# Allegro board TNR_REV00_150306.brd (continued)
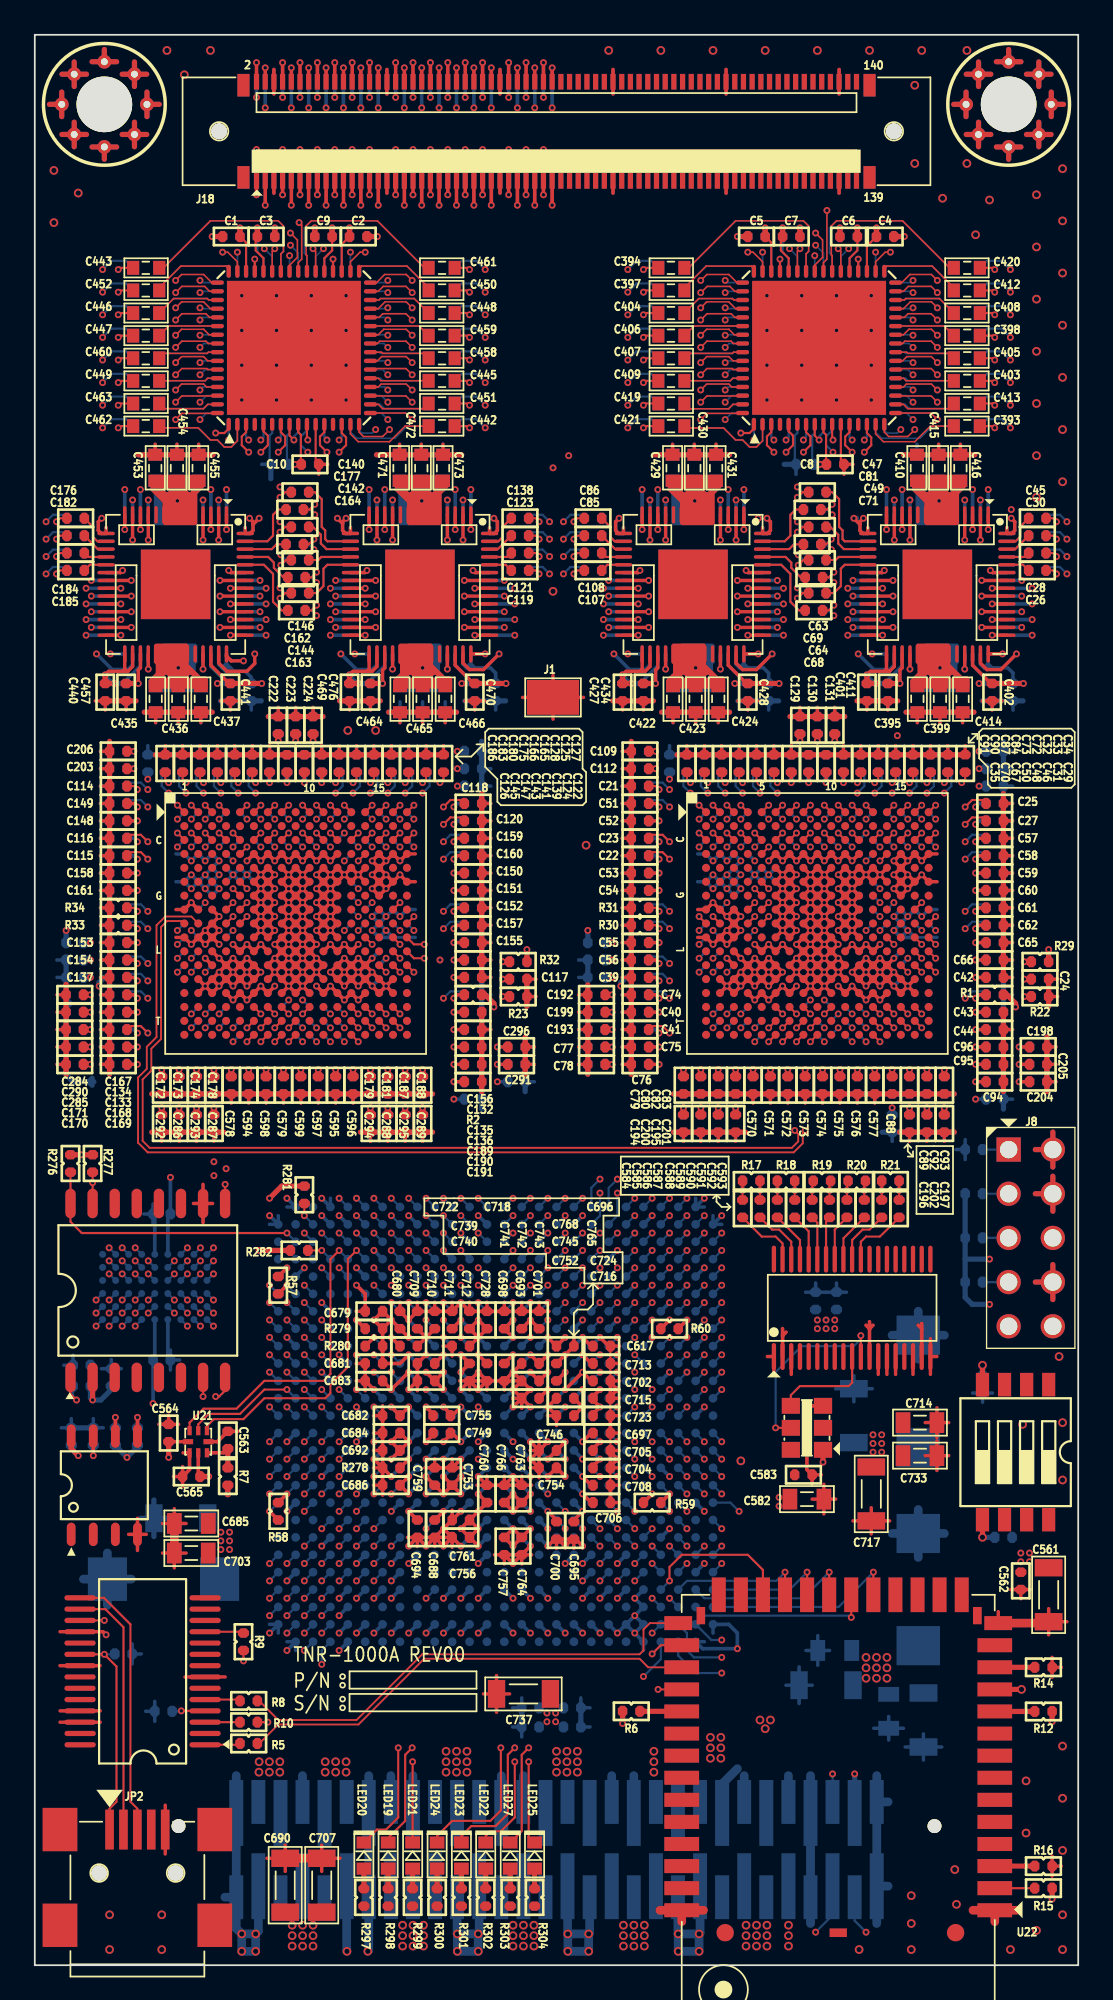
[diagram p0: board, top side]
## Placement (name value [footprint] x y rotation side) (continued)
C493  220n_0603_100V  [C0603]  22.3 72.8 270 bottom
C494  220n_0603_100V  [C0603]  23.6 72.8 270 bottom
C495  0.1u_0402  [C0402]  19.3 73.2 270 bottom
C496  0.1u_0603_100V  [C0603]  23.4 95 180 bottom
C497  0.1u_0603_100V  [C0603]  6.4 92.4 0 bottom
C499  0.1u_0603_100V  [C0603]  6.4 96.3 0 bottom
C500  0.1u_0603_100V  [C0603]  6.4 89.8 0 bottom
C501  0.1u_0603_100V  [C0603]  23.4 96.3 180 bottom
C502  0.1u_0603_100V  [C0603]  23.4 91.1 180 bottom
C503  0.1u_0402  [C0402]  25.3 73.2 270 bottom
C504  0.1u_0603_100V  [C0603]  6.4 97.6 0 bottom
C505  0.1u_0603_100V  [C0603]  23.4 88.5 180 bottom
C506  220n_0603_100V  [C0603]  9.55 72.8 270 bottom
C507  220n_0603_100V  [C0603]  8.25 72.8 270 bottom
C508  220n_0603_100V  [C0603]  6.95 72.8 270 bottom
C511  0.1u_0402  [C0402]  12.45 73.2 270 bottom
C512  0.1u_0402  [C0402]  5.25 73.2 270 bottom
C513  220n_0603_100V  [C0603]  8.18 86.1 90 bottom
C514  220n_0603_100V  [C0603]  9.43 86.1 90 bottom
C515  220n_0603_100V  [C0603]  6.92 86.1 90 bottom
C518  0.1u_0402  [C0402]  11.25 73.2 270 bottom
C519  220n_0603_100V  [C0603]  36.7 72.8 270 bottom
C520  220n_0603_100V  [C0603]  38 72.8 270 bottom
C521  220n_0603_100V  [C0603]  39.3 72.8 270 bottom
C524  0.1u_0402  [C0402]  35 73.2 270 bottom
C525  0.1u_0402  [C0402]  42.2 73.2 270 bottom
C526  0.1u_0603_100V  [C0603]  36.6 88.5 0 bottom
C527  0.1u_0603_100V  [C0603]  53.6 97.6 180 bottom
C528  220n_0603_100V  [C0603]  36.67 86.1 90 bottom
C529  220n_0603_100V  [C0603]  37.92 86.1 90 bottom
C530  220n_0603_100V  [C0603]  39.17 86.1 90 bottom
C531  0.1u_0603_100V  [C0603]  36.6 92.4 0 bottom
C532  0.1u_0603_100V  [C0603]  36.6 93.7 0 bottom
C533  0.1u_0603_100V  [C0603]  53.6 92.4 180 bottom
C534  0.1u_0603_100V  [C0603]  36.6 96.3 0 bottom
C535  0.1u_0603_100V  [C0603]  53.6 95 180 bottom
C537  0.1u_0603_100V  [C0603]  36.6 91.1 0 bottom
C539  0.1u_0603_100V  [C0603]  36.6 95 0 bottom
C540  0.1u_0603_100V  [C0603]  53.6 89.8 180 bottom
C541  0.1u_0603_100V  [C0603]  36.6 89.8 0 bottom
C542  0.1u_0603_100V  [C0603]  53.6 96.3 180 bottom
C543  0.1u_0402  [C0402]  41 73.2 270 bottom
C544  0.1u_0603_100V  [C0603]  53.6 93.7 180 bottom
C545  0.1u_0603_100V  [C0603]  53.6 91.1 180 bottom
C546  0.1u_0603_100V  [C0603]  36.6 97.6 0 bottom
C547  0.1u_0603_100V  [C0603]  53.6 88.5 180 bottom
C548  220n_0603_100V  [C0603]  50.75 72.8 270 bottom
C549  220n_0603_100V  [C0603]  52.05 72.8 270 bottom
C550  220n_0603_100V  [C0603]  53.35 72.8 270 bottom
C553  0.1u_0402  [C0402]  49.05 73.2 270 bottom
C554  0.1u_0402  [C0402]  56.25 73.2 270 bottom
C555  220n_0603_100V  [C0603]  50.73 86.1 90 bottom
C556  220n_0603_100V  [C0603]  51.98 86.1 90 bottom
C557  220n_0603_100V  [C0603]  53.23 86.1 90 bottom
C560  0.1u_0402  [C0402]  55.05 73.2 270 bottom
C561  10u_1206  [C1206]  58.3 21.3 90 top
C562  0.1u_0402  [C0402]  56.7 22.1 90 top
C563  0.1u_0402  [C0402]  11.1 30.2 270 top
C564  0.1u_0402  [C0402]  7.7 30.6 270 top
C565  0.1u_0402  [C0402]  9 28.1 0 top
C566  0.1u_0402  [C0402]  5.1 17.9 180 bottom
C567  0.1u_0402  [C0402]  7.4 14.6 0 bottom
C568  0.1u_0402  [C0402]  7.3 34.8 180 bottom
C569  0.1u_0402  [C0402]  7.3 43.2 0 bottom
C570  0.1u_0402  [C0402]  41.3 50.6 270 top
C571  0.1u_0402  [C0402]  42.3 50.6 270 top
C572  0.1u_0402  [C0402]  43.3 50.6 270 top
C573  0.1u_0402  [C0402]  44.3 50.6 270 top
C574  0.1u_0402  [C0402]  45.3 50.6 270 top
C575  0.1u_0402  [C0402]  46.3 50.6 270 top
C576  0.1u_0402  [C0402]  47.3 50.6 270 top
C577  0.1u_0402  [C0402]  48.3 50.6 270 top
C578  0.1u_0402  [C0402]  11.3 50.6 270 top
C579  0.1u_0402  [C0402]  14.3 50.6 270 top
C580  0.1u_0402  [C0402]  44.9 38.2 270 bottom
C581  0.1u_0402  [C0402]  46.1 38.2 270 bottom
C582  1u_0805  [C0805]  44.4 26.8 180 top
C583  0.1u_0402  [C0402]  44.2 28.2 180 top
C584  0.1u_0402  [C0402]  40.7 43.5 270 top
C585  0.1u_0402  [C0402]  41.7 43.5 270 top
C586  0.1u_0402  [C0402]  42.7 43.5 270 top
C587  0.1u_0402  [C0402]  43.7 43.5 270 top
C588  0.1u_0402  [C0402]  44.7 43.5 270 top
C589  0.1u_0402  [C0402]  45.7 43.5 270 top
C590  0.1u_0402  [C0402]  46.7 43.5 270 top
C591  0.1u_0402  [C0402]  47.7 43.5 270 top
C592  0.1u_0402  [C0402]  48.7 43.5 270 top
C593  0.1u_0402  [C0402]  49.7 43.5 270 top
C594  0.1u_0402  [C0402]  12.3 50.6 270 top
C595  0.1u_0402  [C0402]  17.3 50.6 270 top
C596  0.1u_0402  [C0402]  18.3 50.6 270 top
C597  0.1u_0402  [C0402]  16.3 50.6 270 top
C598  0.1u_0402  [C0402]  13.3 50.6 270 top
C599  0.1u_0402  [C0402]  15.3 50.6 270 top
C600  0.1u_0402  [C0402]  11.3 50.6 270 bottom
C601  0.1u_0402  [C0402]  12.3 50.6 270 bottom
C602  0.1u_0402  [C0402]  18.3 50.6 270 bottom
C603  0.1u_0402  [C0402]  17.3 50.6 270 bottom
C604  0.1u_0402  [C0402]  14.3 50.6 270 bottom
C605  0.1u_0402  [C0402]  15.3 50.6 270 bottom
C606  0.1u_0402  [C0402]  13.3 50.6 270 bottom
C607  0.1u_0402  [C0402]  16.3 50.6 270 bottom
C608  0.1u_0402  [C0402]  47.3 50.6 270 bottom
C609  0.1u_0402  [C0402]  46.3 50.6 270 bottom
C610  0.1u_0402  [C0402]  43.3 50.6 270 bottom
C611  0.1u_0402  [C0402]  45.3 50.6 270 bottom
C612  0.1u_0402  [C0402]  48.3 50.6 270 bottom
C613  0.1u_0402  [C0402]  42.3 50.6 270 bottom
C614  0.1u_0402  [C0402]  41.3 50.6 270 bottom
C615  0.1u_0402  [C0402]  44.3 50.6 270 bottom
C616  0.1u_0402  [C0402]  4.4 33.8 270 bottom
C617  0.1u_0402  [C0402]  32.6 35.6 180 top
C618  0.1u_0402  [C0402]  2.7 34.5 0 bottom
C619  0.1u_0402  [C0402]  2.1 30.4 90 bottom
C679  10n_0402  [C0402]  19.5 37.6 180 top
C680  0.1u_0402  [C0402]  21 37.1 90 top
C681  10n_0402  [C0402]  19.5 34.6 180 top
C682  10n_0402  [C0402]  20.5 31.6 180 top
C683  0.1u_0402  [C0402]  19.5 33.6 180 top
C684  0.1u_0402  [C0402]  20.5 30.6 180 top
C685  1u_0805  [C0805]  9 25.4 180 top
C686  0.1u_0402  [C0402]  20.5 27.6 180 top
C687  10u_1206  [C1206]  8.4 25.7 180 bottom
C688  0.1u_0402  [C0402]  23 25.1 270 top
C689  100u_Tant_D_6.3V  [TC7343D]  7.4 22.2 0 bottom
C690  10u_1206  [C1206]  14.4 4.6 90 top
C692  10n_0402  [C0402]  20.5 29.6 180 top
C693  0.1u_0402  [C0402]  28 37.1 90 top
C694  10n_0402  [C0402]  22 25.1 270 top
C695  0.1u_0402  [C0402]  31 25 270 top
C696  0.1u_0402  [C0402]  30.5 35.6 0 top
C697  0.1u_0402  [C0402]  32.6 30.6 0 top
C698  10n_0402  [C0402]  27 37.1 90 top
C700  10n_0402  [C0402]  30 25 270 top
C701  10n_0402  [C0402]  29 37.1 90 top
C702  10n_0402  [C0402]  32.6 33.6 0 top
C703  1u_0805  [C0805]  9 23.7 180 top
C704  0.1u_0402  [C0402]  32.6 28.6 0 top
C705  10n_0402  [C0402]  32.6 29.6 0 top
C706  0.1u_0402  [C0402]  32.6 26.6 0 top
C707  10u_1206  [C1206]  16.5 4.6 90 top
C708  10n_0402  [C0402]  32.6 27.6 0 top
C709  10n_0402  [C0402]  22 37.1 90 top
C710  0.1u_0402  [C0402]  23 37.1 90 top
C711  10n_0402  [C0402]  24 37.1 90 top
C712  0.1u_0402  [C0402]  25 37.1 90 top
C713  10n_0402  [C0402]  32.6 34.6 0 top
C714  1u_0805  [C0805]  50.9 31.2 0 top
C715  0.1u_0402  [C0402]  32.6 32.6 0 top
C716  0.1u_0402  [C0402]  30.5 31.6 180 top
C717  10u_1206  [C1206]  48.1 27.1 270 top
C718  0.1u_0402  [C0402]  24.5 35.6 180 top
C719  100u_Tant_D_6.3V  [TC7343D]  50.8 33 270 bottom
C721  10u_1206  [C1206]  47.1 31.6 90 bottom
C722  0.1u_0402  [C0402]  21.5 35.6 180 top
C723  10n_0402  [C0402]  32.6 31.6 0 top
C724  10n_0402  [C0402]  30.5 32.6 180 top
C725  0.1u_0402  [C0402]  30.9 14.8 0 bottom
C726  0.1u_0402  [C0402]  30.9 13.7 0 bottom
C728  10n_0402  [C0402]  26 37.1 90 top
C730  10n_0402  [C0402]  28.5 14.8 180 bottom
C731  10n_0402  [C0402]  28.5 13.7 180 bottom
C733  1u_0805  [C0805]  50.9 29.3 0 top
C737  10u_1206  [C1206]  28.1 15.6 180 top
C739  10n_0402  [C0402]  22.5 34.6 180 top
C740  0.1u_0402  [C0402]  22.5 33.6 180 top
C741  10n_0402  [C0402]  25 34.1 270 top
C742  0.1u_0402  [C0402]  26 34.1 270 top
C743  10n_0402  [C0402]  27 34.1 270 top
C744  1u_0805  [C0805]  49.1 14.6 270 bottom
C745  0.1u_0402  [C0402]  28.5 33.6 180 top
C746  0.1u_0402  [C0402]  29.5 29.6 180 top
C747  10u_1206  [C1206]  51.1 14.1 270 bottom
C748  100u_Tant_D_6.3V  [TC7343D]  50.8 21.6 270 bottom
C749  0.1u_0402  [C0402]  23.4 30.6 0 top
C750  10u_1206  [C1206]  45.5 16.1 180 bottom
C752  10n_0402  [C0402]  28.5 32.6 180 top
C753  0.1u_0402  [C0402]  24 28.1 90 top
C754  0.1u_0402  [C0402]  29.5 28.6 180 top
C755  10n_0402  [C0402]  23.4 31.6 0 top
C756  0.1u_0402  [C0402]  24.5 24.6 180 top
C757  0.1u_0402  [C0402]  27 24.1 270 top
C759  10n_0402  [C0402]  23 28.1 90 top
C760  10n_0402  [C0402]  26 27.1 90 top
C761  10n_0402  [C0402]  24.5 25.6 180 top
C762  1u_0805  [C0805]  46 18.1 180 bottom
C763  10n_0402  [C0402]  28 27.1 90 top
C764  10n_0402  [C0402]  28 24.1 270 top
C765  0.1u_0402  [C0402]  30 34.1 90 top
C766  0.1u_0402  [C0402]  27 27.1 90 top
C768  10n_0402  [C0402]  28.5 34.6 180 top
J1  GND(MOLD)  [TP_3020]  29.8 72.9 0 top
J2  24LC04BI/SN  [SOIC8_P1_27_W5_0X6_2]  4 27.6 90 top
J8  PH01(2.54)-DS80P-11.5MM  [HEADER2X5_P2_54MM]  56 46.9 270 top
J18  -  [FX11LA-140S-SV]  30 105.45 0 top
J19  -  [FX11LA-140S-SV]  30 105.45 180 bottom
J20  FX4B3-60P-1.27SV(Header)  [FX4B3-60P-1_27SV]  30 6.65 0 bottom
JP2  1734035-1  [TE_1734035_USB]  5.9 5.3 0 top
LED19  BL-HG036A-AV-TRB  [LED1608-NP]  20.32 6.3 90 top
LED20  BL-HG036A-AV-TRB  [LED1608-NP]  18.92 6.3 90 top
LED21  BL-HG036A-AV-TRB  [LED1608-NP]  21.73 6.3 90 top
LED22  BL-HG036A-AV-TRB  [LED1608-NP]  25.93 6.3 90 top
LED23  BL-HG036A-AV-TRB  [LED1608-NP]  24.53 6.3 90 top
LED24  BL-HG036A-AV-TRB  [LED1608-NP]  23.14 6.3 90 top
LED25  BL-HG036A-AV-TRB  [LED1608-NP]  28.74 6.3 90 top
LED27  BL-HG036A-AV-TRB  [LED1608-NP]  27.34 6.3 90 top
MH1  HOLE_MOUNT  [SCREW-3_2-NPTH]  4 107 0 top
MH2  HOLE_MOUNT  [SCREW-3_2-NPTH]  56 107 0 top
NOREF  -  []  51.5 35 90 top
NOREF#2  -  []  43.5 40.6 0 top
NOREF#3  -  []  10.6 105.45 0 top
NOREF#4  -  []  3.7 5.3 0 top
NOREF#5  -  []  12.75 108.3 0 top
NOREF#6  -  []  2.9 42 0 top
NOREF#7  -  []  55.2 14.59 90 top
NOREF#8  -  []  4.1 75.4 0 top
NOREF#9  -  []  19.23 75.4 0 top
NOREF#10  -  []  -34.5 108.55 0 top
NOREF#11  -  []  38.6 53.5 90 top
NOREF#12  -  []  54.38 75.4 0 top
NOREF#13  -  []  19.23 75.4 0 top
NOREF#14  -  []  47.9 75.4 0 top
NOREF#15  -  []  18.15 75.4 0 top
NOREF#16  -  []  2.9 36 90 top
NOREF#17  -  []  47.4 103.05 90 top
NOREF#18  -  []  9.75 0.05 90 top
NOREF#19  -  []  5.17 75.4 0 top
NOREF#20  -  []  47.51 5.17 90 top
NOREF#21  -  []  48.98 75.4 0 top
NOREF#22  -  []  46.75 108.3 0 top
NOREF#23  -  []  47.4 103.05 90 top
NOREF#24  -  []  8.5 102.35 90 top
NOREF#25  -  []  8.5 108.55 0 top
NOREF#26  -  []  3.9 40.88 0 top
NOREF#27  -  []  30 6.65 90 top
NOREF#28  -  []  43.48 32.16 0 top
NOREF#29  -  []  33.85 75.4 0 top
NOREF#30  -  []  8.4 40.88 0 top
NOREF#31  -  []  12 108.1 0 top
NOREF#32  -  []  8.6 63.9 90 top
NOREF#33  -  []  48.98 75.4 0 top
NOREF#34  -  []  34.92 75.4 0 top
NOREF#35  -  []  34.92 75.4 0 top
NOREF#36  -  []  -34.5 102.35 90 top
NOREF#37  -  []  48.35 103.45 90 top
NOREF#38  -  []  48.98 75.4 0 top
NOREF#39  -  []  34.92 75.4 0 top
NOREF#40  -  []  9.75 0.05 90 top
NOREF#41  -  []  43.48 29.64 90 top
NOREF#42  -  []  37.5 52.4 90 top
NOREF#43  -  []  10.6 105.45 0 top
NOREF#44  -  []  0 111 0 top
NOREF#45  -  []  12.75 108.3 0 top
NOREF#46  -  []  8.27 8 0 top
NOREF#47  -  []  41.85 83.4 90 top
NOREF#48  -  []  2.05 -0.65 90 top
NOREF#49  -  []  12 108.1 0 top
NOREF#50  -  []  0 111 0 top
NOREF#51  -  []  51.4 53.5 90 top
NOREF#52  -  []  55.9 83.4 90 top
NOREF#53  -  []  0 0 90 top
NOREF#54  -  []  38.6 63.9 90 top
NOREF#55  -  []  40.33 75.4 0 top
NOREF#56  -  []  53.63 4.15 90 top
NOREF#57  -  []  52.5 52.4 90 top
NOREF#58  -  []  55.2 -3.7 90 top
NOREF#59  -  []  48.35 102.15 90 top
NOREF#60  -  []  42.15 41.27 0 top
NOREF#61  -  []  37.2 -3.7 90 top
NOREF#62  -  []  11.59 8.76 0 top
NOREF#63  -  []  5.17 75.4 0 top
NOREF#64  -  []  1.45 2.3 90 top
NOREF#65  -  []  4 107 90 top
NOREF#66  -  []  8.9 29.46 0 top
NOREF#67  -  []  7.5 52.4 90 top
NOREF#68  -  []  37.2 21.3 0 top
NOREF#69  -  []  56 107 0 top
NOREF#70  -  []  51.4 63.9 90 top
NOREF#71  -  []  11.59 8.76 0 top
NOREF#72  -  []  1.45 2.3 0 top
NOREF#73  -  []  6.37 9.15 0 top
NOREF#74  -  []  48.76 2.65 90 top
NOREF#75  -  []  12.75 108.3 0 top
NOREF#76  -  []  48.35 102.15 90 top
NOREF#77  -  []  48.35 103.45 90 top
NOREF#78  -  []  8.65 30.85 0 top
NOREF#79  -  []  8.6 53.5 90 top
NOREF#80  -  []  48.78 6.44 90 top
NOREF#81  -  []  42.5 40.6 0 top
R1  DNI  [R0402]  55.2 55.8 0 top
R2  DNI  [R0402]  25.2 55.8 0 top
R3  DNI  [R0402]  4.8 56.8 180 bottom
R4  DNI  [R0402]  34.8 56.8 180 bottom
R5  0_0402  [R0402]  12.3 12.75 0 top
R6  5.1k_0402  [R0402]  34.3 14.6 0 top
R7  0_0402  [R0402]  11.1 28.1 270 top
R8  0_0402  [R0402]  12.3 15.2 0 top
R9  0_0402  [R0402]  12 18.6 270 top
R10  0_0402  [R0402]  12.3 13.97 0 top
R11  1k_0402  [R0402]  55.7 24.6 0 bottom
R12  0_0402  [R0402]  58 14.59 180 top
R13  330_0402  [R0402]  54.5 33.4 90 bottom
R14  1MEG_0402  [R0402]  58 17.13 180 top
R15  DNI  [R0402]  58 4.43 180 top
R16  DNI  [R0402]  58 5.7 180 top
R17  100_0402  [R0402]  41.2 45.1 180 top
R18  100_0402  [R0402]  43.2 45.1 180 top
R19  100_0402  [R0402]  45.26 45.1 180 top
R20  100_0402  [R0402]  47.27 45.1 180 top
R21  100_0402  [R0402]  49.2 45.1 180 top
R22  0_0402  [R0402]  57.8 55.7 0 top
R23  0_0402  [R0402]  27.8 55.7 0 top
R24  0_0402  [R0402]  2.3 56.8 180 bottom
R25  0_0402  [R0402]  32.3 56.8 180 bottom
R26  0_0402  [R0402]  32.3 58.8 180 bottom
R27  0_0402  [R0402]  55.2 59.8 0 bottom
R28  0_0402  [R0402]  55.2 60.8 0 bottom
R29  0_0402  [R0402]  57.8 57.7 0 top
R30  0_0402  [R0402]  34.8 59.8 180 top
R31  0_0402  [R0402]  34.8 60.8 180 top
R32  0_0402  [R0402]  27.8 57.7 0 top
R33  0_0402  [R0402]  4.8 59.8 180 top
R34  0_0402  [R0402]  4.8 60.8 180 top
R35  0_0402  [R0402]  2.3 58.8 180 bottom
R36  0_0402  [R0402]  25.2 59.8 0 bottom
R37  0_0402  [R0402]  25.2 60.8 0 bottom
R54  0_0402  [R0402]  3.37 30.4 270 bottom
R55  2k_0402  [R0402]  5.91 30.4 270 bottom
R56  2k_0402  [R0402]  4.63 30.4 270 bottom
R57  100_0402  [R0402]  14 39.1 270 top
R58  100_0402  [R0402]  14 26.1 270 top
R59  100_0402  [R0402]  35.5 26.6 180 top
R60  100_0402  [R0402]  36.5 36.6 180 top
R272  4.7k_0402  [R0402]  54 46.9 180 bottom
R273  4.7k_0402  [R0402]  54 44.36 0 bottom
R274  4.7k_0402  [R0402]  54 41.82 0 bottom
R275  4.7k_0402  [R0402]  54 39.28 0 bottom
R276  10k_0402  [R0402]  2.06 46.1 270 top
R277  10k_0402  [R0402]  3.33 46.1 270 top
R278  10k_0402  [R0402]  20.5 28.6 0 top
R279  1k_0402  [R0402]  19.5 36.6 0 top
R280  1k_0402  [R0402]  19.5 35.6 0 top
R281  1k_0402  [R0402]  15.5 44.3 90 top
R282  1k_0402  [R0402]  15.2 41.1 0 top
R283  10k_0402  [R0402]  2.7 33.3 180 bottom
R297  680_0402  [R0402]  18.92 3.9 270 top
R298  680_0402  [R0402]  20.32 3.9 270 top
R299  680_0402  [R0402]  21.73 3.9 270 top
R300  680_0402  [R0402]  23.14 3.9 270 top
R301  680_0402  [R0402]  24.53 3.9 270 top
R302  680_0402  [R0402]  25.93 3.9 270 top
R303  680_0402  [R0402]  27.34 3.9 270 top
R304  680_0402  [R0402]  28.74 3.9 270 top
S1  KHS-42C  [KHS04_SMD]  56.4 29.5 270 top
U1  HV2901K6-G  [QFN64_P0_5_W9X9_EXP7_7]  45.1 93 90 top
U2  HV2901K6-G  [QFN64_P0_5_W9X9_EXP7_7]  14.9 93 90 top
U3  HV2901K6-G  [QFN64_P0_5_W9X9_EXP7_7]  14.9 93 90 bottom
U4  HV2901K6-G  [QFN64_P0_5_W9X9_EXP7_7]  45.1 93 90 bottom
U6  AFE5816  [BGA289_P0_5_W15]  45 59.9 0 top
U8  AFE5816  [BGA289_P0_5_W15]  15 59.9 0 top
U10  AFE5816  [BGA289_P0_5_W15]  15 59.9 180 bottom
U11  AFE5816  [BGA289_P0_5_W15]  45 59.9 180 bottom
U13  STHV800QTR  [TFLGA56LD_P0_45_W8X8_EXP4X4]  51.9 79.4 270 top
U14  STHV800QTR  [TFLGA56LD_P0_45_W8X8_EXP4X4]  37.85 79.4 270 top
U15  STHV800QTR  [TFLGA56LD_P0_45_W8X8_EXP4X4]  8.1 79.4 270 top
U16  STHV800QTR  [TFLGA56LD_P0_45_W8X8_EXP4X4]  22.15 79.4 270 top
U17  STHV800QTR  [TFLGA56LD_P0_45_W8X8_EXP4X4]  22.15 79.4 270 bottom
U18  STHV800QTR  [TFLGA56LD_P0_45_W8X8_EXP4X4]  8.1 79.4 270 bottom
U19  STHV800QTR  [TFLGA56LD_P0_45_W8X8_EXP4X4]  37.85 79.4 270 bottom
U20  STHV800QTR  [TFLGA56LD_P0_45_W8X8_EXP4X4]  51.9 79.4 270 bottom
U21  ADS7040IRUGR  [QFN8_P0_5_W1_5X1_5]  9.4 30.1 0 top
U22  -  [GS2100M]  55.2 -3.7 0 top
U23  FT232RL  [SSOP28_P0_65_W7_8X10_2]  6.2 16.9 180 top
U24  SN65LVDS108DBT  [TSSOP38_P0_5_W6_4X9_7]  47 37.8 90 top
U25  W966D6HBGX7I  [BGA54_P0_75_W6_0X8_0]  6.9 39 90 bottom
U28  N25Q064A13SF40E  [SOP16_P1_27_W10_3X7_5]  6.5 38.8 90 top
U88  LFE3-150EA-6LFN672C  [BGA672_P1_0_W27X27]  26.5 31.1 180 bottom
X3  SG3225VAN40MHzKCB  [OSC_SG3225]  44.4 30.9 90 top

## Library data of the parts
C1-C20 C32-C44 C51-C62 C65 C66 C74-C80 C82 C83 C88 C89 C92-C106 C110 C111 C113 C125-C137 C148-C161 C167-C174 C178 C179 C181 C187-C202 C204 C205 C218-C230 C237-C249 C254 C260-C267 C271-C273 C279-C296 C311-C323 C330-C343 C356-C361 C364-C368 C372-C388 C392 C395 C399 C401 C402 C410 C411 C414-C416 C422-C424 C427-C431 C434-C437 C440 C441 C453-C455 C457 C464-C466 C469-C473 C476 C481 C487-C489 C492-C495 C503 C506-C508 C511-C515 C518-C521 C524 C525 C528-C530 C543 C548-C550 C553-C557 C560 C570-C579 C594-C615 C679-C688 C690 C692-C698 C700-C718 C721-C726 C728 C730 C731 C733 C737 C739-C747 C749 C750 C752-C757 C759-C766 C768 = CAP
C21-C31 C45-C50 C63 C64 C67-C73 C81 C84-C87 C90 C91 C107-C109 C112 C114-C124 C138-C147 C162-C166 C175-C177 C180 C182-C186 C203 C206-C217 C231-C236 C250-C253 C255-C259 C268-C270 C274-C278 C297-C310 C324-C329 C344-C355 C362 C363 C369-C371 C389-C391 C393 C394 C397 C398 C403-C409 C412 C413 C419-C421 C442 C443 C445-C452 C458-C463 C477 C478 C482-C486 C491 C496 C497 C499-C502 C504 C505 C526 C527 C531-C535 C537 C539-C542 C544-C547 C561-C569 C580-C593 C616-C618 = CAP NP
C619 = CAP NP_3
C689 C719 C748 = CAPACITOR POL/SM_0
J1 = CON1_0
J2 = Xilinx Parallel IV Connector_3
J8 = CON10AP_0
J18 J19 = CONN PLUG 70x2
J20 = CONN PCB 30x2
JP2 = HEADER 4_2
LED19-LED25 LED27 = LED
MH1 MH2 = MOUNT HOLE
R1-R37 R57-R60 R272-R283 R297-R304 = R
R54-R56 = R_0
S1 = SW DIP-8/SM_0
U1-U4 = 7414_117
U6 U8 U10 U11 = AFE5816_0
U13-U20 = 7414_118
U21 = 7414_99
U22 = 7414_96
U23 = 7414_82
U24 = 7414_115
U25 = 7414_104
U28 = 7414_116
U88 = LFE3-150EA-FN672_4
X3 = 635L3C3_1

## Footprints (pads in the part's own frame, mm; a bottom-side part is the same pattern mirrored in y, then rotated)
BGA54_P0_75_W6_0X8_0
  round 0.4 smd: A1(-1.875,3) A2(-1.125,3) A3(-0.375,3) A4(0.375,3) A5(1.125,3) A6(1.875,3) B1(-1.875,2.25) B2(-1.125,2.25) B3(-0.375,2.25) B4(0.375,2.25) B5(1.125,2.25) B6(1.875,2.25) C1(-1.875,1.5) C2(-1.125,1.5) C3(-0.375,1.5) C4(0.375,1.5) C5(1.125,1.5) C6(1.875,1.5) D1(-1.875,0.75) D2(-1.125,0.75) D3(-0.375,0.75) D4(0.375,0.75) D5(1.125,0.75) D6(1.875,0.75) E1(-1.875,0) E2(-1.125,0) E3(-0.375,0) E4(0.375,0) E5(1.125,0) E6(1.875,0) F1(-1.875,-0.75) F2(-1.125,-0.75) F3(-0.375,-0.75) F4(0.375,-0.75) F5(1.125,-0.75) F6(1.875,-0.75) G1(-1.875,-1.5) G2(-1.125,-1.5) G3(-0.375,-1.5) G4(0.375,-1.5) G5(1.125,-1.5) G6(1.875,-1.5) H1(-1.875,-2.25) H2(-1.125,-2.25) H3(-0.375,-2.25) H4(0.375,-2.25) H5(1.125,-2.25) H6(1.875,-2.25) J1(-1.875,-3) J2(-1.125,-3) J3(-0.375,-3) J4(0.375,-3) J5(1.125,-3) J6(1.875,-3)
BGA289_P0_5_W15
  round 0.46 smd: A1(-6.4,6.4) A2(-5.6,6.4) A3(-4.8,6.4) A4(-4,6.4) A5(-3.2,6.4) A6(-2.4,6.4) A7(-1.6,6.4) A8(-0.8,6.4) A9(0,6.4) A10(0.8,6.4) A11(1.6,6.4) A12(2.4,6.4) A13(3.2,6.4) A14(4,6.4) A15(4.8,6.4) A16(5.6,6.4) A17(6.4,6.4) B1(-6.4,5.6) B2(-5.6,5.6) B3(-4.8,5.6) B4(-4,5.6) B5(-3.2,5.6) B6(-2.4,5.6) B7(-1.6,5.6) B8(-0.8,5.6) B9(0,5.6) B10(0.8,5.6) B11(1.6,5.6) B12(2.4,5.6) B13(3.2,5.6) B14(4,5.6) B15(4.8,5.6) B16(5.6,5.6) B17(6.4,5.6) C1(-6.4,4.8) C2(-5.6,4.8) C3(-4.8,4.8) C4(-4,4.8) C5(-3.2,4.8) C6(-2.4,4.8) C7(-1.6,4.8) C8(-0.8,4.8) C9(0,4.8) C10(0.8,4.8) C11(1.6,4.8) C12(2.4,4.8) C13(3.2,4.8) C14(4,4.8) C15(4.8,4.8) C16(5.6,4.8) C17(6.4,4.8) D1(-6.4,4) D2(-5.6,4) D3(-4.8,4) D4(-4,4) D5(-3.2,4) D6(-2.4,4) D7(-1.6,4) D8(-0.8,4) D9(0,4) D10(0.8,4) D11(1.6,4) D12(2.4,4) D13(3.2,4) D14(4,4) D15(4.8,4) D16(5.6,4) D17(6.4,4) E1(-6.4,3.2) E2(-5.6,3.2) E3(-4.8,3.2) E4(-4,3.2) E5(-3.2,3.2) E6(-2.4,3.2) E7(-1.6,3.2) E8(-0.8,3.2) E9(0,3.2) E10(0.8,3.2) E11(1.6,3.2) E12(2.4,3.2) E13(3.2,3.2) E14(4,3.2) E15(4.8,3.2) E16(5.6,3.2) E17(6.4,3.2) F1(-6.4,2.4) F2(-5.6,2.4) F3(-4.8,2.4) F4(-4,2.4) F5(-3.2,2.4) F6(-2.4,2.4) F7(-1.6,2.4) F8(-0.8,2.4) F9(0,2.4) F10(0.8,2.4) F11(1.6,2.4) F12(2.4,2.4) F13(3.2,2.4) F14(4,2.4) F15(4.8,2.4) F16(5.6,2.4) F17(6.4,2.4) G1(-6.4,1.6) G2(-5.6,1.6) G3(-4.8,1.6) G4(-4,1.6) G5(-3.2,1.6) G6(-2.4,1.6) G7(-1.6,1.6) G8(-0.8,1.6) G9(0,1.6) G10(0.8,1.6) G11(1.6,1.6) G12(2.4,1.6) G13(3.2,1.6) G14(4,1.6) G15(4.8,1.6) G16(5.6,1.6) G17(6.4,1.6) H1(-6.4,0.8) H2(-5.6,0.8) H3(-4.8,0.8) H4(-4,0.8) H5(-3.2,0.8) H6(-2.4,0.8) H7(-1.6,0.8) H8(-0.8,0.8) H9(0,0.8) H10(0.8,0.8) H11(1.6,0.8) H12(2.4,0.8) H13(3.2,0.8) H14(4,0.8) H15(4.8,0.8) H16(5.6,0.8) H17(6.4,0.8) J1(-6.4,0) J2(-5.6,0) J3(-4.8,0) J4(-4,0) J5(-3.2,0) J6(-2.4,0) J7(-1.6,0) J8(-0.8,0) J9(0,0) J10(0.8,0) J11(1.6,0) J12(2.4,0) J13(3.2,0) J14(4,0) J15(4.8,0) J16(5.6,0) J17(6.4,0) K1(-6.4,-0.8) K2(-5.6,-0.8) K3(-4.8,-0.8) K4(-4,-0.8) K5(-3.2,-0.8) K6(-2.4,-0.8) K7(-1.6,-0.8) K8(-0.8,-0.8) K9(0,-0.8) K10(0.8,-0.8) K11(1.6,-0.8) K12(2.4,-0.8) K13(3.2,-0.8) K14(4,-0.8) K15(4.8,-0.8) K16(5.6,-0.8) K17(6.4,-0.8) L1(-6.4,-1.6) L2(-5.6,-1.6) L3(-4.8,-1.6) L4(-4,-1.6) L5(-3.2,-1.6) L6(-2.4,-1.6) L7(-1.6,-1.6) L8(-0.8,-1.6) L9(0,-1.6) L10(0.8,-1.6) L11(1.6,-1.6) L12(2.4,-1.6) L13(3.2,-1.6) L14(4,-1.6) L15(4.8,-1.6) L16(5.6,-1.6) L17(6.4,-1.6) M1(-6.4,-2.4) M2(-5.6,-2.4) M3(-4.8,-2.4) M4(-4,-2.4) M5(-3.2,-2.4) M6(-2.4,-2.4) M7(-1.6,-2.4) M8(-0.8,-2.4) M9(0,-2.4) M10(0.8,-2.4) M11(1.6,-2.4) M12(2.4,-2.4) M13(3.2,-2.4) M14(4,-2.4) M15(4.8,-2.4) M16(5.6,-2.4) M17(6.4,-2.4) N1(-6.4,-3.2) N2(-5.6,-3.2) N3(-4.8,-3.2) N4(-4,-3.2) N5(-3.2,-3.2) N6(-2.4,-3.2) N7(-1.6,-3.2) N8(-0.8,-3.2) N9(0,-3.2) N10(0.8,-3.2) N11(1.6,-3.2) N12(2.4,-3.2) N13(3.2,-3.2) N14(4,-3.2) N15(4.8,-3.2) N16(5.6,-3.2) N17(6.4,-3.2) P1(-6.4,-4) P2(-5.6,-4) P3(-4.8,-4) P4(-4,-4) P5(-3.2,-4) P6(-2.4,-4) P7(-1.6,-4) P8(-0.8,-4) P9(0,-4) P10(0.8,-4) P11(1.6,-4) P12(2.4,-4) P13(3.2,-4) P14(4,-4) P15(4.8,-4) P16(5.6,-4) P17(6.4,-4) R1(-6.4,-4.8) R2(-5.6,-4.8) R3(-4.8,-4.8) R4(-4,-4.8) R5(-3.2,-4.8) R6(-2.4,-4.8) R7(-1.6,-4.8) R8(-0.8,-4.8) R9(0,-4.8) R10(0.8,-4.8) R11(1.6,-4.8) R12(2.4,-4.8) R13(3.2,-4.8) R14(4,-4.8) R15(4.8,-4.8) R16(5.6,-4.8) R17(6.4,-4.8) T1(-6.4,-5.6) T2(-5.6,-5.6) T3(-4.8,-5.6) T4(-4,-5.6) T5(-3.2,-5.6) T6(-2.4,-5.6) T7(-1.6,-5.6) T8(-0.8,-5.6) T9(0,-5.6) T10(0.8,-5.6) T11(1.6,-5.6) T12(2.4,-5.6) T13(3.2,-5.6) T14(4,-5.6) T15(4.8,-5.6) T16(5.6,-5.6) T17(6.4,-5.6) U1(-6.4,-6.4) U2(-5.6,-6.4) U3(-4.8,-6.4) U4(-4,-6.4) U5(-3.2,-6.4) U6(-2.4,-6.4) U7(-1.6,-6.4) U8(-0.8,-6.4) U9(0,-6.4) U10(0.8,-6.4) U11(1.6,-6.4) U12(2.4,-6.4) U13(3.2,-6.4) U14(4,-6.4) U15(4.8,-6.4) U16(5.6,-6.4) U17(6.4,-6.4)
BGA672_P1_0_W27X27
  round 0.5 smd: A2(-11.5,12.5) A3(-10.5,12.5) A4(-9.5,12.5) A5(-8.5,12.5) A6(-7.5,12.5) A7(-6.5,12.5) A8(-5.5,12.5) A9(-4.5,12.5) A10(-3.5,12.5) A11(-2.5,12.5) A12(-1.5,12.5) A13(-0.5,12.5) A14(0.5,12.5) A15(1.5,12.5) A16(2.5,12.5) A17(3.5,12.5) A18(4.5,12.5) A19(5.5,12.5) A20(6.5,12.5) A21(7.5,12.5) A22(8.5,12.5) A23(9.5,12.5) A24(10.5,12.5) A25(11.5,12.5) AA1(-12.5,-7.5) AA2(-11.5,-7.5) AA3(-10.5,-7.5) AA4(-9.5,-7.5) AA5(-8.5,-7.5) AA6(-7.5,-7.5) AA7(-6.5,-7.5) AA8(-5.5,-7.5) AA9(-4.5,-7.5) AA10(-3.5,-7.5) AA11(-2.5,-7.5) AA12(-1.5,-7.5) AA13(-0.5,-7.5) AA14(0.5,-7.5) AA15(1.5,-7.5) AA16(2.5,-7.5) AA17(3.5,-7.5) AA18(4.5,-7.5) AA19(5.5,-7.5) AA20(6.5,-7.5) AA21(7.5,-7.5) AA22(8.5,-7.5) AA23(9.5,-7.5) AA24(10.5,-7.5) AA25(11.5,-7.5) AA26(12.5,-7.5) AB1(-12.5,-8.5) AB2(-11.5,-8.5) AB3(-10.5,-8.5) AB4(-9.5,-8.5) AB5(-8.5,-8.5) AB6(-7.5,-8.5) AB7(-6.5,-8.5) AB8(-5.5,-8.5) AB9(-4.5,-8.5) AB10(-3.5,-8.5) AB11(-2.5,-8.5) AB12(-1.5,-8.5) AB13(-0.5,-8.5) AB14(0.5,-8.5) AB15(1.5,-8.5) AB16(2.5,-8.5) AB17(3.5,-8.5) AB18(4.5,-8.5) AB19(5.5,-8.5) AB20(6.5,-8.5) AB21(7.5,-8.5) AB22(8.5,-8.5) AB23(9.5,-8.5) AB24(10.5,-8.5) AB25(11.5,-8.5) AB26(12.5,-8.5) AC1(-12.5,-9.5) AC2(-11.5,-9.5) AC3(-10.5,-9.5) AC4(-9.5,-9.5) AC5(-8.5,-9.5) AC6(-7.5,-9.5) AC7(-6.5,-9.5) AC8(-5.5,-9.5) AC9(-4.5,-9.5) AC10(-3.5,-9.5) AC11(-2.5,-9.5) AC12(-1.5,-9.5) AC13(-0.5,-9.5) AC14(0.5,-9.5) AC15(1.5,-9.5) AC16(2.5,-9.5) AC17(3.5,-9.5) AC18(4.5,-9.5) AC19(5.5,-9.5) AC20(6.5,-9.5) AC21(7.5,-9.5) AC22(8.5,-9.5) AC23(9.5,-9.5) AC24(10.5,-9.5) AC25(11.5,-9.5) AC26(12.5,-9.5) AD1(-12.5,-10.5) AD2(-11.5,-10.5) AD3(-10.5,-10.5) AD4(-9.5,-10.5) AD5(-8.5,-10.5) AD6(-7.5,-10.5) AD7(-6.5,-10.5) AD8(-5.5,-10.5) AD9(-4.5,-10.5) AD10(-3.5,-10.5) AD11(-2.5,-10.5) AD12(-1.5,-10.5) AD13(-0.5,-10.5) AD14(0.5,-10.5) AD15(1.5,-10.5) AD16(2.5,-10.5) AD17(3.5,-10.5) AD18(4.5,-10.5) AD19(5.5,-10.5) AD20(6.5,-10.5) AD21(7.5,-10.5) AD22(8.5,-10.5) AD23(9.5,-10.5) AD24(10.5,-10.5) AD25(11.5,-10.5) AD26(12.5,-10.5) AE1(-12.5,-11.5) AE2(-11.5,-11.5) AE3(-10.5,-11.5) AE4(-9.5,-11.5) AE5(-8.5,-11.5) AE6(-7.5,-11.5) AE7(-6.5,-11.5) AE8(-5.5,-11.5) AE9(-4.5,-11.5) AE10(-3.5,-11.5) AE11(-2.5,-11.5) AE12(-1.5,-11.5) AE13(-0.5,-11.5) AE14(0.5,-11.5) AE15(1.5,-11.5) AE16(2.5,-11.5) AE17(3.5,-11.5) AE18(4.5,-11.5) AE19(5.5,-11.5) AE20(6.5,-11.5) AE21(7.5,-11.5) AE22(8.5,-11.5) AE23(9.5,-11.5) AE24(10.5,-11.5) AE25(11.5,-11.5) AE26(12.5,-11.5) AF2(-11.5,-12.5) AF3(-10.5,-12.5) AF4(-9.5,-12.5) AF5(-8.5,-12.5) AF6(-7.5,-12.5) AF7(-6.5,-12.5) AF8(-5.5,-12.5) AF9(-4.5,-12.5) AF10(-3.5,-12.5) AF11(-2.5,-12.5) AF12(-1.5,-12.5) AF13(-0.5,-12.5) AF14(0.5,-12.5) AF15(1.5,-12.5) AF16(2.5,-12.5) AF17(3.5,-12.5) AF18(4.5,-12.5) AF19(5.5,-12.5) AF20(6.5,-12.5) AF21(7.5,-12.5) AF22(8.5,-12.5) AF23(9.5,-12.5) AF24(10.5,-12.5) AF25(11.5,-12.5) B1(-12.5,11.5) B2(-11.5,11.5) B3(-10.5,11.5) B4(-9.5,11.5) B5(-8.5,11.5) B6(-7.5,11.5) B7(-6.5,11.5) B8(-5.5,11.5) B9(-4.5,11.5) B10(-3.5,11.5) B11(-2.5,11.5) B12(-1.5,11.5) B13(-0.5,11.5) B14(0.5,11.5) B15(1.5,11.5) B16(2.5,11.5) B17(3.5,11.5) B18(4.5,11.5) B19(5.5,11.5) B20(6.5,11.5) B21(7.5,11.5) B22(8.5,11.5) B23(9.5,11.5) B24(10.5,11.5) B25(11.5,11.5) B26(12.5,11.5) C1(-12.5,10.5) C2(-11.5,10.5) C3(-10.5,10.5) C4(-9.5,10.5) C5(-8.5,10.5) C6(-7.5,10.5) C7(-6.5,10.5) C8(-5.5,10.5) C9(-4.5,10.5) C10(-3.5,10.5) C11(-2.5,10.5) C12(-1.5,10.5) C13(-0.5,10.5) C14(0.5,10.5) C15(1.5,10.5) C16(2.5,10.5) C17(3.5,10.5) C18(4.5,10.5) C19(5.5,10.5) C20(6.5,10.5) C21(7.5,10.5) C22(8.5,10.5) C23(9.5,10.5) C24(10.5,10.5) C25(11.5,10.5) C26(12.5,10.5) D1(-12.5,9.5) D2(-11.5,9.5) D3(-10.5,9.5) D4(-9.5,9.5) D5(-8.5,9.5) D6(-7.5,9.5) D7(-6.5,9.5) D8(-5.5,9.5) D9(-4.5,9.5) D10(-3.5,9.5) D11(-2.5,9.5) D12(-1.5,9.5) D13(-0.5,9.5) D14(0.5,9.5) D15(1.5,9.5) D16(2.5,9.5) D17(3.5,9.5) D18(4.5,9.5) D19(5.5,9.5) D20(6.5,9.5) D21(7.5,9.5) D22(8.5,9.5) D23(9.5,9.5) D24(10.5,9.5) D25(11.5,9.5) D26(12.5,9.5) E1(-12.5,8.5) E2(-11.5,8.5) E3(-10.5,8.5) E4(-9.5,8.5) E5(-8.5,8.5) E6(-7.5,8.5) E7(-6.5,8.5) E8(-5.5,8.5) E9(-4.5,8.5) E10(-3.5,8.5) E11(-2.5,8.5) E12(-1.5,8.5) E13(-0.5,8.5) E14(0.5,8.5) E15(1.5,8.5) E16(2.5,8.5) E17(3.5,8.5) E18(4.5,8.5) E19(5.5,8.5) E20(6.5,8.5) E21(7.5,8.5) E22(8.5,8.5) E23(9.5,8.5) E24(10.5,8.5) E25(11.5,8.5) E26(12.5,8.5) F1(-12.5,7.5) F2(-11.5,7.5) F3(-10.5,7.5) F4(-9.5,7.5) F5(-8.5,7.5) F6(-7.5,7.5) F7(-6.5,7.5) F8(-5.5,7.5) F9(-4.5,7.5) F10(-3.5,7.5) F11(-2.5,7.5) F12(-1.5,7.5) F13(-0.5,7.5) F14(0.5,7.5) F15(1.5,7.5) F16(2.5,7.5) F17(3.5,7.5) F18(4.5,7.5) F19(5.5,7.5) F20(6.5,7.5) F21(7.5,7.5) F22(8.5,7.5) F23(9.5,7.5) F24(10.5,7.5) F25(11.5,7.5) F26(12.5,7.5) G1(-12.5,6.5) G2(-11.5,6.5) G3(-10.5,6.5) G4(-9.5,6.5) G5(-8.5,6.5) G6(-7.5,6.5) G7(-6.5,6.5) G8(-5.5,6.5) G9(-4.5,6.5) G10(-3.5,6.5) G11(-2.5,6.5) G12(-1.5,6.5) G13(-0.5,6.5) G14(0.5,6.5) G15(1.5,6.5) G16(2.5,6.5) G17(3.5,6.5) G18(4.5,6.5) G19(5.5,6.5) G20(6.5,6.5) G21(7.5,6.5) G22(8.5,6.5) G23(9.5,6.5) G24(10.5,6.5) G25(11.5,6.5) G26(12.5,6.5) H1(-12.5,5.5) H2(-11.5,5.5) H3(-10.5,5.5) H4(-9.5,5.5) H5(-8.5,5.5) H6(-7.5,5.5) H7(-6.5,5.5) H8(-5.5,5.5) H9(-4.5,5.5) H10(-3.5,5.5) H11(-2.5,5.5) H12(-1.5,5.5) H13(-0.5,5.5) H14(0.5,5.5) H15(1.5,5.5) H16(2.5,5.5) H17(3.5,5.5) H18(4.5,5.5) H19(5.5,5.5) H20(6.5,5.5) H21(7.5,5.5) H22(8.5,5.5) H23(9.5,5.5) H24(10.5,5.5) H25(11.5,5.5) H26(12.5,5.5) J1(-12.5,4.5) J2(-11.5,4.5) J3(-10.5,4.5) J4(-9.5,4.5) J5(-8.5,4.5) J6(-7.5,4.5) J7(-6.5,4.5) J8(-5.5,4.5) J9(-4.5,4.5) J10(-3.5,4.5) J11(-2.5,4.5) J12(-1.5,4.5) J13(-0.5,4.5) J14(0.5,4.5) J15(1.5,4.5) J16(2.5,4.5) J17(3.5,4.5) J18(4.5,4.5) J19(5.5,4.5) J20(6.5,4.5) J21(7.5,4.5) J22(8.5,4.5) J23(9.5,4.5) J24(10.5,4.5) J25(11.5,4.5) J26(12.5,4.5) K1(-12.5,3.5) K2(-11.5,3.5) K3(-10.5,3.5) K4(-9.5,3.5) K5(-8.5,3.5) K6(-7.5,3.5) K7(-6.5,3.5) K8(-5.5,3.5) K9(-4.5,3.5) K10(-3.5,3.5) K11(-2.5,3.5) K12(-1.5,3.5) K13(-0.5,3.5) K14(0.5,3.5) K15(1.5,3.5) K16(2.5,3.5) K17(3.5,3.5) K18(4.5,3.5) K19(5.5,3.5) K20(6.5,3.5) K21(7.5,3.5) K22(8.5,3.5) K23(9.5,3.5) K24(10.5,3.5) K25(11.5,3.5) K26(12.5,3.5) L1(-12.5,2.5) L2(-11.5,2.5) L3(-10.5,2.5) L4(-9.5,2.5) L5(-8.5,2.5) L6(-7.5,2.5) L7(-6.5,2.5) L8(-5.5,2.5) L9(-4.5,2.5) L10(-3.5,2.5) L11(-2.5,2.5) L12(-1.5,2.5) L13(-0.5,2.5) L14(0.5,2.5) L15(1.5,2.5) L16(2.5,2.5) L17(3.5,2.5) L18(4.5,2.5) L19(5.5,2.5) L20(6.5,2.5) L21(7.5,2.5) L22(8.5,2.5) L23(9.5,2.5) L24(10.5,2.5) L25(11.5,2.5) L26(12.5,2.5) M1(-12.5,1.5) M2(-11.5,1.5) M3(-10.5,1.5) M4(-9.5,1.5) M5(-8.5,1.5) M6(-7.5,1.5) M7(-6.5,1.5) M8(-5.5,1.5) M9(-4.5,1.5) M10(-3.5,1.5) M11(-2.5,1.5) M12(-1.5,1.5) M13(-0.5,1.5) M14(0.5,1.5) M15(1.5,1.5) M16(2.5,1.5) M17(3.5,1.5) M18(4.5,1.5) M19(5.5,1.5) M20(6.5,1.5) M21(7.5,1.5) M22(8.5,1.5) M23(9.5,1.5) M24(10.5,1.5) M25(11.5,1.5) M26(12.5,1.5) N1(-12.5,0.5) N2(-11.5,0.5) N3(-10.5,0.5) N4(-9.5,0.5) N5(-8.5,0.5) N6(-7.5,0.5) N7(-6.5,0.5) N8(-5.5,0.5) N9(-4.5,0.5) N10(-3.5,0.5) N11(-2.5,0.5) N12(-1.5,0.5) N13(-0.5,0.5) N14(0.5,0.5) N15(1.5,0.5) N16(2.5,0.5) N17(3.5,0.5) N18(4.5,0.5) N19(5.5,0.5) N20(6.5,0.5) N21(7.5,0.5) N22(8.5,0.5) N23(9.5,0.5) N24(10.5,0.5) N25(11.5,0.5) N26(12.5,0.5) P1(-12.5,-0.5) P2(-11.5,-0.5) P3(-10.5,-0.5) P4(-9.5,-0.5) P5(-8.5,-0.5) P6(-7.5,-0.5) P7(-6.5,-0.5) P8(-5.5,-0.5) P9(-4.5,-0.5) P10(-3.5,-0.5) P11(-2.5,-0.5) P12(-1.5,-0.5) P13(-0.5,-0.5) P14(0.5,-0.5) P15(1.5,-0.5) P16(2.5,-0.5) P17(3.5,-0.5) P18(4.5,-0.5) P19(5.5,-0.5) P20(6.5,-0.5) P21(7.5,-0.5) P22(8.5,-0.5) P23(9.5,-0.5) P24(10.5,-0.5) P25(11.5,-0.5) P26(12.5,-0.5) R1(-12.5,-1.5) R2(-11.5,-1.5) R3(-10.5,-1.5) R4(-9.5,-1.5) R5(-8.5,-1.5) R6(-7.5,-1.5) R7(-6.5,-1.5) R8(-5.5,-1.5) R9(-4.5,-1.5) R10(-3.5,-1.5) R11(-2.5,-1.5) R12(-1.5,-1.5) R13(-0.5,-1.5) R14(0.5,-1.5) R15(1.5,-1.5) R16(2.5,-1.5) R17(3.5,-1.5) R18(4.5,-1.5) R19(5.5,-1.5) R20(6.5,-1.5) R21(7.5,-1.5) R22(8.5,-1.5) R23(9.5,-1.5) R24(10.5,-1.5) R25(11.5,-1.5) R26(12.5,-1.5) T1(-12.5,-2.5) T2(-11.5,-2.5) T3(-10.5,-2.5) T4(-9.5,-2.5) T5(-8.5,-2.5) T6(-7.5,-2.5) T7(-6.5,-2.5) T8(-5.5,-2.5) T9(-4.5,-2.5) T10(-3.5,-2.5) T11(-2.5,-2.5) T12(-1.5,-2.5) T13(-0.5,-2.5) T14(0.5,-2.5) T15(1.5,-2.5) T16(2.5,-2.5) T17(3.5,-2.5) T18(4.5,-2.5) T19(5.5,-2.5) T20(6.5,-2.5) T21(7.5,-2.5) T22(8.5,-2.5) T23(9.5,-2.5) T24(10.5,-2.5) T25(11.5,-2.5) T26(12.5,-2.5) U1(-12.5,-3.5) U2(-11.5,-3.5) U3(-10.5,-3.5) U4(-9.5,-3.5) U5(-8.5,-3.5) U6(-7.5,-3.5) U7(-6.5,-3.5) U8(-5.5,-3.5) U9(-4.5,-3.5) U10(-3.5,-3.5) U11(-2.5,-3.5) U12(-1.5,-3.5) U13(-0.5,-3.5) U14(0.5,-3.5) U15(1.5,-3.5) U16(2.5,-3.5) U17(3.5,-3.5) U18(4.5,-3.5) U19(5.5,-3.5) U20(6.5,-3.5) U21(7.5,-3.5) U22(8.5,-3.5) U23(9.5,-3.5) U24(10.5,-3.5) U25(11.5,-3.5) U26(12.5,-3.5) V1(-12.5,-4.5) V2(-11.5,-4.5) V3(-10.5,-4.5) V4(-9.5,-4.5) V5(-8.5,-4.5) V6(-7.5,-4.5) V7(-6.5,-4.5) V8(-5.5,-4.5) V9(-4.5,-4.5) V10(-3.5,-4.5) V11(-2.5,-4.5) V12(-1.5,-4.5) V13(-0.5,-4.5) V14(0.5,-4.5) V15(1.5,-4.5) V16(2.5,-4.5) V17(3.5,-4.5) V18(4.5,-4.5) V19(5.5,-4.5) V20(6.5,-4.5) V21(7.5,-4.5) V22(8.5,-4.5) V23(9.5,-4.5) V24(10.5,-4.5) V25(11.5,-4.5) V26(12.5,-4.5) W1(-12.5,-5.5) W2(-11.5,-5.5) W3(-10.5,-5.5) W4(-9.5,-5.5) W5(-8.5,-5.5) W6(-7.5,-5.5) W7(-6.5,-5.5) W8(-5.5,-5.5) W9(-4.5,-5.5) W10(-3.5,-5.5) W11(-2.5,-5.5) W12(-1.5,-5.5) W13(-0.5,-5.5) W14(0.5,-5.5) W15(1.5,-5.5) W16(2.5,-5.5) W17(3.5,-5.5) W18(4.5,-5.5) W19(5.5,-5.5) W20(6.5,-5.5) W21(7.5,-5.5) W22(8.5,-5.5) W23(9.5,-5.5) W24(10.5,-5.5) W25(11.5,-5.5) W26(12.5,-5.5) Y1(-12.5,-6.5) Y2(-11.5,-6.5) Y3(-10.5,-6.5) Y4(-9.5,-6.5) Y5(-8.5,-6.5) Y6(-7.5,-6.5) Y7(-6.5,-6.5) Y8(-5.5,-6.5) Y9(-4.5,-6.5) Y10(-3.5,-6.5) Y11(-2.5,-6.5) Y12(-1.5,-6.5) Y13(-0.5,-6.5) Y14(0.5,-6.5) Y15(1.5,-6.5) Y16(2.5,-6.5) Y17(3.5,-6.5) Y18(4.5,-6.5) Y19(5.5,-6.5) Y20(6.5,-6.5) Y21(7.5,-6.5) Y22(8.5,-6.5) Y23(9.5,-6.5) Y24(10.5,-6.5) Y25(11.5,-6.5) Y26(12.5,-6.5)
